# KiCad board main_board.kicad_pcb
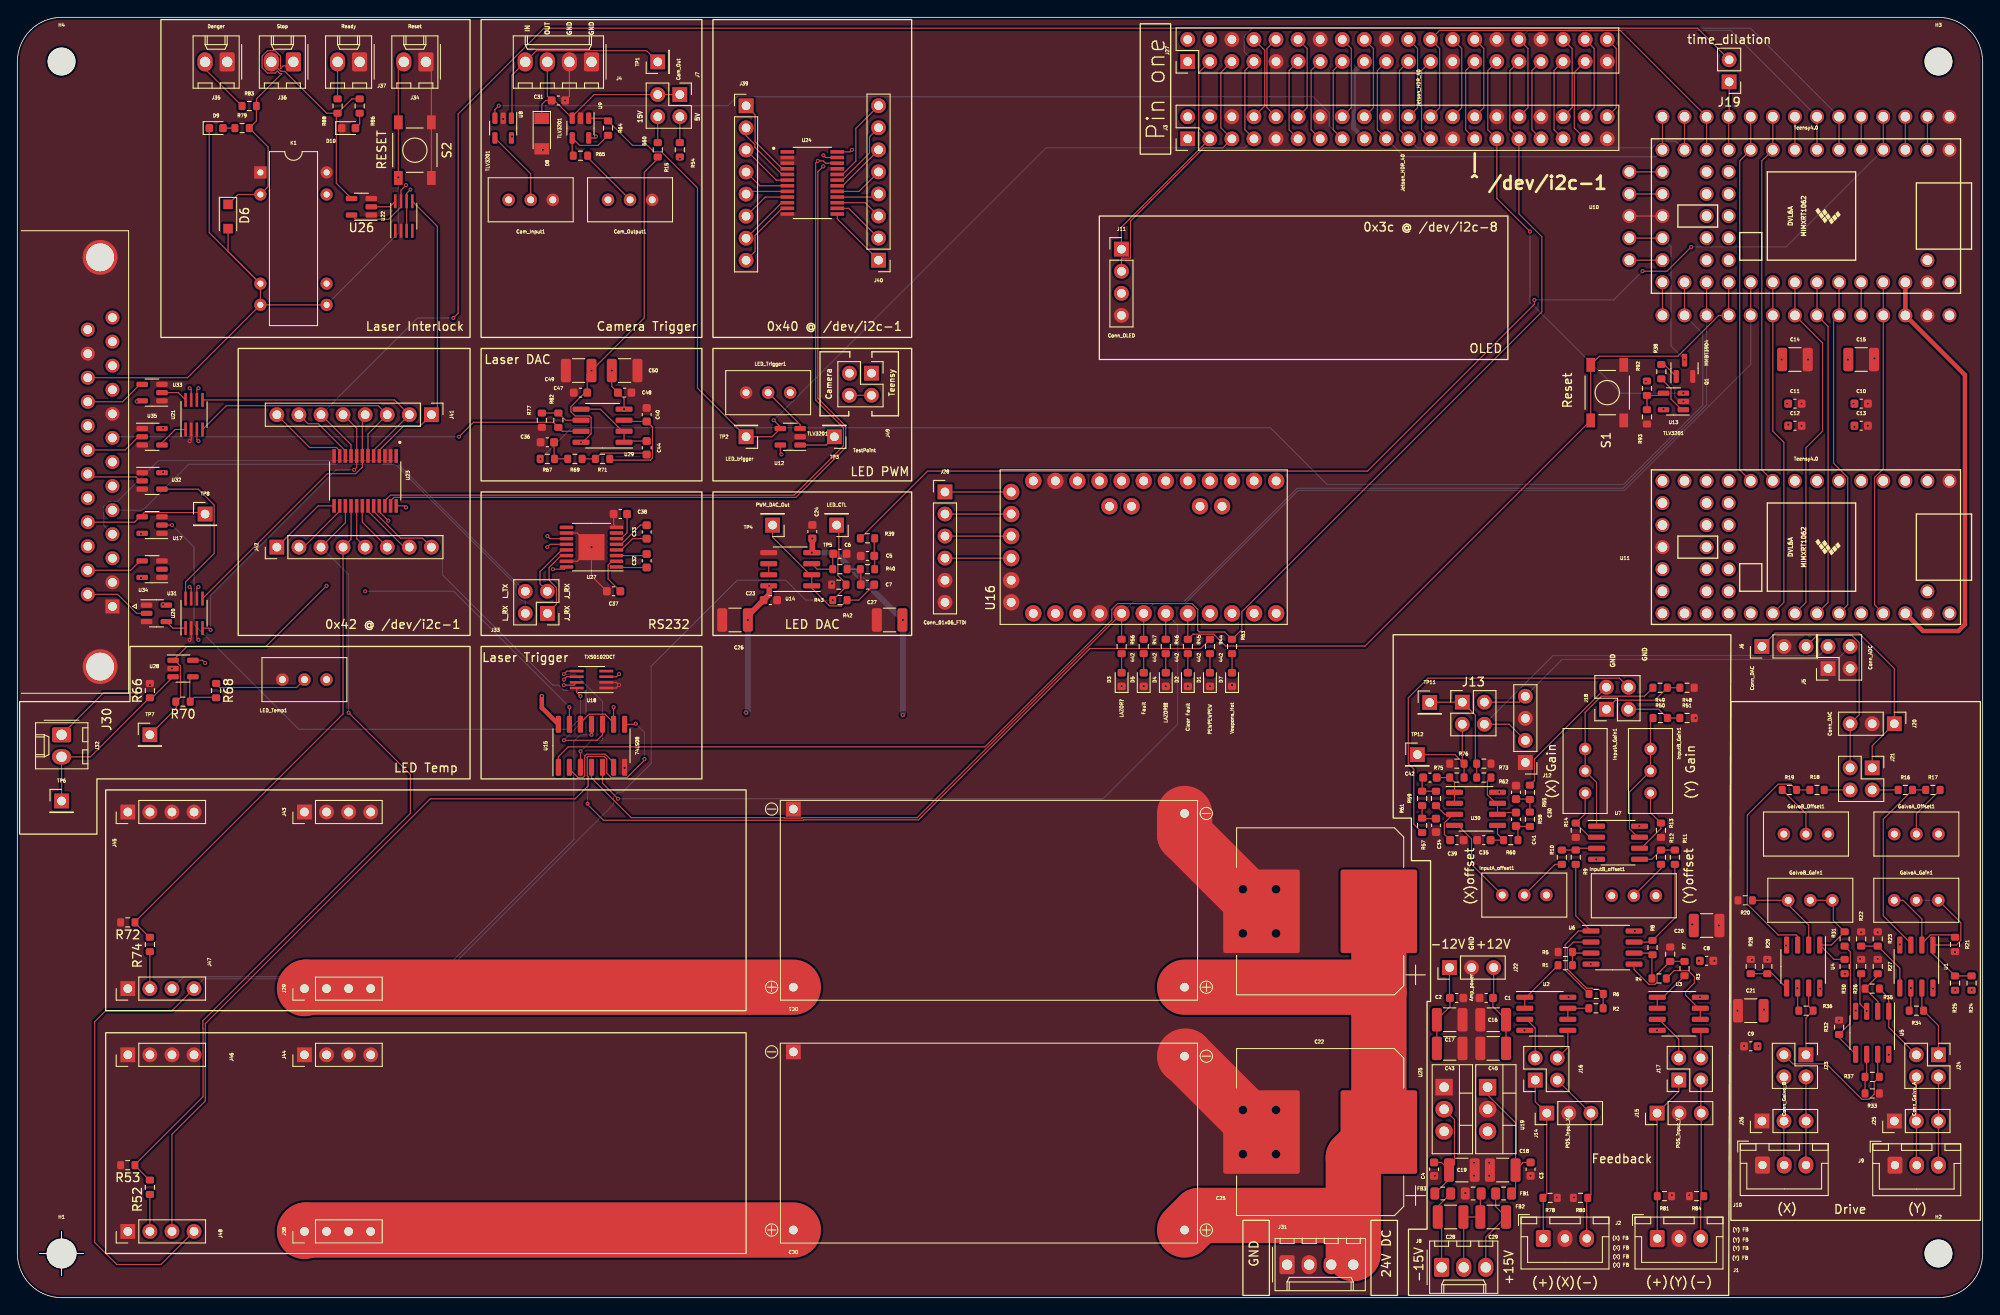
[diagram p0: board, top side]
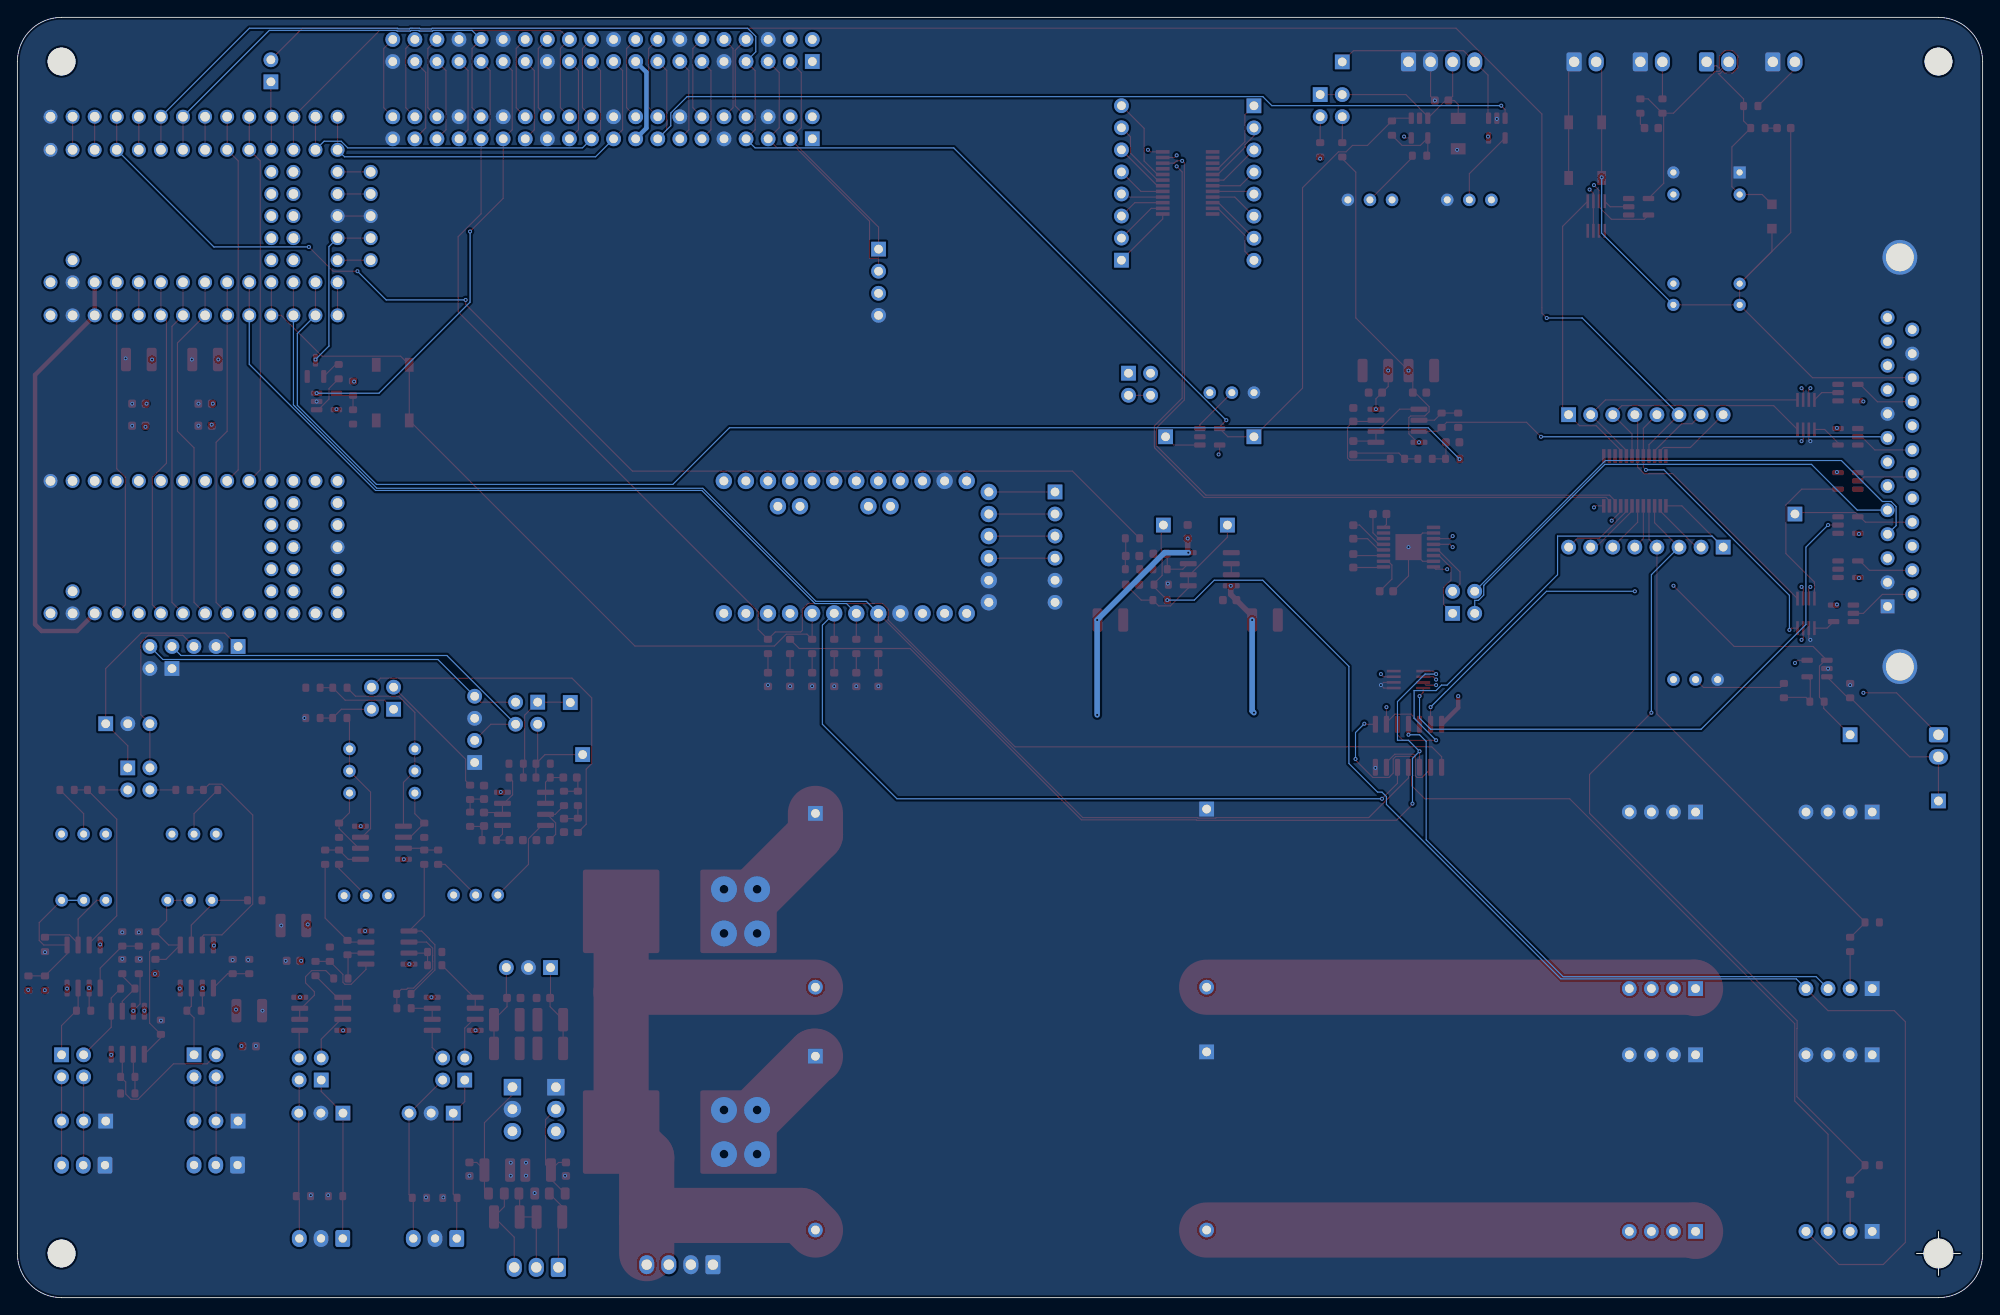
[diagram p1: board, bottom side, seen from below]

Outline 226.06 x 147.32 mm; copper layers: Top, In1.Cu, In2.Cu, Bottom. Coordinates in mm from the lower left corner of the outline.
Outline path: 0,142.24 0,5.08 arc(1.49,1.49) 5.08,0 220.98,0 arc(224.57,1.49) 226.06,5.08 226.06,142.24 arc(224.57,145.83) 220.98,147.32 5.08,147.32 arc(1.49,145.83) 0,142.24
Stack: Top 0.035mm / dielectric 0.48mm FR4 er 4.5 / In1.Cu 0.035mm / dielectric 0.48mm FR4 er 4.5 / In2.Cu 0.035mm / dielectric 0.48mm FR4 er 4.5 / Bottom 0.035mm

## Placement (name value [footprint] x y rotation side)
C1  .01u  [C_0603_1608Metric]  168.96 34.48 180 top
C2  .01u  [C_0603_1608Metric]  165.56 34.48 180 top
C3  .01u  [C_0603_1608Metric]  174.06 14.78 270 top
C4  .01u  [C_0603_1608Metric]  162.96 14.78 90 top
C5  .0047u  [C_0603_1608Metric]  97.79 85.34 0 top
C6  330p  [C_0603_1608Metric]  94.62 85.6 0 top
C7  .0022u  [C_0603_1608Metric]  97.79 82.04 180 top
C8  .01u  [C_0603_1608Metric]  194.31 38.76 0 top
C9  .01u  [C_0603_1608Metric]  199.39 28.92 0 top
C10  1u  [C_0603_1608Metric]  212.09 102.87 0 top
C11  1u  [C_0603_1608Metric]  204.47 102.87 0 top
C12  .01u  [C_0603_1608Metric]  204.47 100.33 0 top
C13  .01u  [C_0603_1608Metric]  212.09 100.33 0 top
C14  100uF  [C_1210_3225Metric]  204.47 107.95 0 top
C15  100uF  [C_1210_3225Metric]  212.09 107.95 0 top
C16  100uF  [C_1210_3225Metric]  169.76 31.98 180 top
C17  100uF  [C_1210_3225Metric]  164.76 31.98 180 top
C18  100uF  [C_1210_3225Metric]  170.86 14.68 180 top
C19  100uF  [C_1210_3225Metric]  166.16 14.68 180 top
C20  100uF  [C_1210_3225Metric]  194.31 42.82 0 top
C21  100uF  [C_1210_3225Metric]  199.39 33.02 0 top
C22  3300uF  [CP_Elec_18x22]  149.86 44.45 180 top
C23  .01u  [C_0603_1608Metric]  86.61 80.26 0 top
C24  .01u  [C_0603_1608Metric]  91.44 88.14 270 top
C25  3300uF  [CP_Elec_18x22]  149.86 19.05 180 top
C26  100uF  [C_1210_3225Metric]  82.55 77.98 180 top
C27  100uF  [C_1210_3225Metric]  100.33 77.98 0 top
C28  100uF  [C_1210_3225Metric]  164.86 9.28 180 top
C29  100uF  [C_1210_3225Metric]  169.76 9.28 180 top
C30  100pF  [C_0603_1608Metric]  172.38 58.15 270 top
C31  330p  [C_0603_1608Metric]  62.23 137.75 0 top
C32  0.1u  [C_0603_1608Metric]  72.39 84.79 90 top
C33  0.1u  [C_0603_1608Metric]  72.39 88.11 90 top
C34  100pF  [C_0603_1608Metric]  163.19 54.34 90 top
C35  10p  [C_0603_1608Metric]  168.69 52.65 180 top
C36  .0047u  [C_0603_1608Metric]  60.96 98.42 0 top
C37  0.1u  [C_0603_1608Metric]  68.58 81.28 180 top
C38  0.1u  [C_0603_1608Metric]  69.35 90.17 180 top
C39  10pF  [C_0603_1608Metric]  165.58 52.65 0 top
C40  330p  [C_0603_1608Metric]  72.39 101.6 90 top
C41  33pF  [C_0603_1608Metric]  172.38 55.04 270 top
C42  33pF  [C_0603_1608Metric]  162.49 59.84 180 top
C43  100uF  [C_1210_3225Metric]  164.76 28.68 180 top
C44  .0022u  [C_0603_1608Metric]  72.39 97.79 270 top
C45  100uF  [C_1210_3225Metric]  169.76 28.68 180 top
C47  .01u  [C_0603_1608Metric]  64.77 104.14 180 top
C48  .01u  [C_0603_1608Metric]  69.85 104.14 180 top
C49  100uF  [C_1210_3225Metric]  64.56 106.68 180 top
C50  100uF  [C_1210_3225Metric]  69.85 106.68 180 top
Cam_Input1  50k  [Potentiometer_Bourns_3296W_Vertical]  56.5 126.33 180 top
Cam_Output1  50k  [Potentiometer_Bourns_3296W_Vertical]  67.94 126.33 180 top
D1  PEWPEWPEW  [D_0603_1608Metric]  137.18 71.12 90 top
D2  Clear Fault  [D_0603_1608Metric]  134.64 71.12 90 top
D3  LAZOR?  [D_0603_1608Metric]  127.02 71.12 90 top
D4  LAZOR!!!  [D_0603_1608Metric]  132.1 71.12 90 top
D5  Fault  [D_0603_1608Metric]  129.56 71.12 90 top
D6  SM4007PL  [D_SOD-123F]  24.23 124.41 270 top
D7  Veapons_Hot  [D_0603_1608Metric]  139.72 71.12 90 top
D8  BZV55B3V3  [D_MiniMELF]  60.32 133.94 270 top
D9  Danger  [D_0603_1608Metric]  22.86 134.58 0 top
D10  Ready  [D_0603_1608Metric]  38.1 134.58 0 top
DC1  LM2596S_Module  [LM2596S Module]  111.76 45.72 180 top
DC2  LM2596S_Module  [LM2596S Module]  111.76 17.78 180 top
FB1  GZ2012D601TF  [R_0805_2012Metric]  170.96 11.98 180 top
FB2  GZ2012D601TF  [R_0805_2012Metric]  167.46 11.98 180 top
FB3  GZ2012D601TF  [R_0805_2012Metric]  163.96 11.98 0 top
GalvoA_Gain1  50k  [Potentiometer_Bourns_3296W_Vertical]  215.89 45.72 180 top
GalvoA_Offset1  50k  [Potentiometer_Bourns_3296W_Vertical]  215.9 53.34 180 top
GalvoB_Gain1  50k  [Potentiometer_Bourns_3296W_Vertical]  203.7 45.72 180 top
GalvoB_Offset1  50k  [Potentiometer_Bourns_3296W_Vertical]  203.2 53.34 180 top
H1  MountingHole  [MountingHole_3.2mm_M3]  5.08 5.08 0 top
H2  MountingHole  [MountingHole_3.2mm_M3]  220.98 5.08 0 top
H3  MountingHole  [MountingHole_3.2mm_M3]  220.98 142.24 0 top
H4  MountingHole  [MountingHole_3.2mm_M3]  5.08 142.24 0 top
InputA_Gain1  50k  [Potentiometer_Bourns_3296W_Vertical]  180.34 58.06 270 top
InputA_offset1  50k  [Potentiometer_Bourns_3296W_Vertical]  175.88 46.33 0 top
InputB_Gain1  50k  [Potentiometer_Bourns_3296W_Vertical]  187.86 58.06 270 top
InputB_offset1  50k  [Potentiometer_Bourns_3296W_Vertical]  188.48 46.25 0 top
J1  (Y) FB  [JST_XH_B3B-XH-A_1x03_P2.50mm_Vertical]  188.63 6.81 0 top
J2  (X) FB  [JST_XH_B3B-XH-A_1x03_P2.50mm_Vertical]  175.52 6.81 0 top
J3  Jetson_HDR_40  [PinHeader_2x20_P2.54mm_Vertical]  134.62 133.34 90 top
J4  Cam_Trigger  [Molex_KK-254_AE-6410-04A_1x04_P2.54mm_Vertical]  66.04 142.2 180 top
J5  Conn_ADC  [PinHeader_2x02_P2.54mm_Vertical]  208.28 72.39 90 top
J6  Conn_DAC  [PinHeader_1x03_P2.54mm_Vertical]  200.68 74.93 90 top
J7  Conn_02x02_Odd_Even  [PinHeader_2x02_P2.54mm_Vertical]  76.2 138.44 270 top
J8  Galvo_Power_input  [Molex_KK-254_AE-6410-03A_1x03_P2.54mm_Vertical]  163.83 3.48 0 top
J9  Drive (Y)  [JST_XH_B3B-XH-A_1x03_P2.50mm_Vertical]  215.98 15.24 0 top
J10  Drive (X)  [JST_XH_B3B-XH-A_1x03_P2.50mm_Vertical]  200.74 15.26 0 top
J11  Conn_OLED  [PinHeader_1x04_P2.54mm_Vertical]  127 120.65 0 top
J12  Conn_ADC  [PinHeader_1x04_P2.54mm_Vertical]  173.46 61.58 180 top
J13  Conn_02x02_Odd_Even  [PinHeader_2x02_P2.54mm_Vertical]  166.21 68.52 0 top
J14  POS_input_X  [PinHeader_1x03_P2.54mm_Vertical]  175.93 21.23 90 top
J15  POS_input_Y  [PinHeader_1x03_P2.54mm_Vertical]  188.61 21.23 90 top
J16  Conn_02x02_Odd_Even  [PinHeader_2x02_P2.54mm_Vertical]  174.6 25.03 90 top
J17  Conn_02x02_Odd_Even  [PinHeader_2x02_P2.54mm_Vertical]  191.11 25.04 90 top
J18  Conn_02x02_Odd_Even  [PinHeader_2x02_P2.54mm_Vertical]  182.79 67.71 90 top
J19  time_dilation  [PinHeader_1x02_P2.54mm_Vertical]  196.9 139.9 180 top
J20  Conn_DAC  [PinHeader_1x03_P2.54mm_Vertical]  215.9 66.04 270 top
J21  Conn_02x02_Odd_Even  [PinHeader_2x02_P2.54mm_Vertical]  213.36 60.96 270 top
J22  Amp_power  [PinHeader_1x03_P2.54mm_Vertical]  164.74 37.98 90 top
J23  Conn_02x02_Odd_Even  [PinHeader_2x02_P2.54mm_Vertical]  205.74 27.94 270 top
J24  Conn_02x02_Odd_Even  [PinHeader_2x02_P2.54mm_Vertical]  220.98 27.94 270 top
J25  Conn_Galvo_A  [PinHeader_1x03_P2.54mm_Vertical]  215.9 20.32 90 top
J26  Conn_Galvo_B  [PinHeader_1x03_P2.54mm_Vertical]  200.68 20.32 90 top
J27  Jetson_HDR_40  [PinHeader_2x20_P2.54mm_Vertical]  134.62 142.24 90 top
J28  Conn_01x06_FTDI  [PinHeader_1x06_P2.54mm_Vertical]  106.7 92.71 0 top
J29  Pow 80V max  [PinHeader_1x04_P2.54mm_Vertical]  33.02 35.56 90 top
J30  DB25_Female_MountingHoles  [DSUB-25_Female_Horizontal_P2.77x2.84mm_EdgePinOffset7.70mm_Housed_MountingHolesOffset9.12mm]  10.94 79.54 270 top
J31  Conn_01x04_LED_Supply  [Molex_KK-254_AE-6410-04A_1x04_P2.54mm_Vertical]  146.05 3.79 0 top
J32  Conn_LED_Temp  [Molex_KK-254_AE-6410-02A_1x02_P2.54mm_Vertical]  5.08 64.77 270 top
J33  RS232  [PinHeader_2x02_P2.54mm_Vertical]  60.97 78.74 180 top
J34  Reset  [Molex_KK-254_AE-6410-02A_1x02_P2.54mm_Vertical]  46.99 142.2 180 top
J35  Danger  [Molex_KK-254_AE-6410-02A_1x02_P2.54mm_Vertical]  24.13 142.2 180 top
J36  Stop  [Molex_KK-254_AE-6410-02A_1x02_P2.54mm_Vertical]  31.75 142.2 180 top
J37  Ready  [Molex_KK-254_AE-6410-02A_1x02_P2.54mm_Vertical]  39.37 142.2 180 top
J38  Pow 80V max  [PinHeader_1x04_P2.54mm_Vertical]  33.02 7.62 90 top
J39  Conn_01x08_Male  [PinHeader_1x08_P2.54mm_Vertical]  83.82 137.14 0 top
J40  Conn_01x08_Male  [PinHeader_1x08_P2.54mm_Vertical]  99.06 119.38 180 top
J41  Conn_01x08_Male  [PinHeader_1x08_P2.54mm_Vertical]  47.62 101.6 270 top
J42  Conn_01x08_Male  [PinHeader_1x08_P2.54mm_Vertical]  29.84 86.36 90 top
J43  Pow GND  [PinHeader_1x04_P2.54mm_Vertical]  33.02 55.88 90 top
J44  Pow GND  [PinHeader_1x04_P2.54mm_Vertical]  33.02 27.94 90 top
J45  GND  [PinHeader_1x04_P2.54mm_Vertical]  12.7 55.88 90 top
J46  GND  [PinHeader_1x04_P2.54mm_Vertical]  12.7 27.94 90 top
J47  Control  [PinHeader_1x04_P2.54mm_Vertical]  12.7 35.56 90 top
J48  Control  [PinHeader_1x04_P2.54mm_Vertical]  12.7 7.62 90 top
J49  Conn_02x02_Odd_Even  [PinHeader_2x02_P2.54mm_Vertical]  98.25 106.38 270 top
K1  DIPxx-1Axx-11x  [Relay_StandexMeder_DIP_LowProfile]  27.95 129.48 0 top
LED_Temp1  50k  [Potentiometer_Bourns_3296W_Vertical]  35.56 71.12 0 top
LED_Trigger1  50k  [Potentiometer_Bourns_3296W_Vertical]  88.9 104.14 0 top
Q1  MMBT3904  [SOT-23]  191.77 106.93 90 top
R1  10k  [R_0603_1608Metric]  178.05 38.25 0 top
R2  10k  [R_0603_1608Metric]  181.59 33.29 0 top
R3  10k  [R_0603_1608Metric]  191.77 37.87 90 top
R4  10k  [R_0603_1608Metric]  188.85 36.72 180 top
R5  10k  [R_0603_1608Metric]  178.05 39.77 180 top
R6  10k  [R_0603_1608Metric]  181.61 34.95 180 top
R7  10k  [R_0603_1608Metric]  190.12 39.52 90 top
R8  10k  [R_0603_1608Metric]  188.09 40.28 90 top
R9  12k  [R_0603_1608Metric]  179.26 50.68 90 top
R10  12k  [R_0603_1608Metric]  177.66 50.68 270 top
R11  12k  [R_0603_1608Metric]  190.66 50.68 90 top
R12  12k  [R_0603_1608Metric]  189.06 50.68 90 top
R13  1k  [R_0603_1608Metric]  189.06 53.78 270 top
R14  1k  [R_0603_1608Metric]  179.26 53.78 270 top
R15  560  [R_0603_1608Metric]  73.66 132.08 90 top
R16  12k  [R_0603_1608Metric]  217.17 58.42 0 top
R17  12k  [R_0603_1608Metric]  220.35 58.42 0 top
R18  12k  [R_0603_1608Metric]  207.01 58.42 180 top
R19  12k  [R_0603_1608Metric]  203.83 58.42 0 top
R20  1k  [R_0603_1608Metric]  198.75 45.72 180 top
R21  1k  [R_0603_1608Metric]  222.88 40.64 270 top
R22  10k  [R_0603_1608Metric]  212.09 41.28 270 top
R23  10k  [R_0603_1608Metric]  214 41.28 270 top
R24  10k  [R_0603_1608Metric]  224.79 36.19 270 top
R25  10k  [R_0603_1608Metric]  222.88 36.19 270 top
R26  10k  [R_0603_1608Metric]  212.09 38.1 270 top
R27  10k  [R_0603_1608Metric]  214 38.1 270 top
R28  10k  [R_0603_1608Metric]  199.39 38.1 270 top
R29  10k  [R_0603_1608Metric]  201.3 38.1 270 top
R30  10k  [R_0603_1608Metric]  210.19 38.1 270 top
R31  10k  [R_0603_1608Metric]  210.19 41.28 270 top
R32  10k  [R_0603_1608Metric]  209.55 31.12 270 top
R33  10k  [R_0603_1608Metric]  213.36 23.5 180 top
R34  10k  [R_0603_1608Metric]  218.44 33.02 0 top
R35  10k  [R_0603_1608Metric]  213.36 35.56 0 top
R36  10k  [R_0603_1608Metric]  205.74 33.02 0 top
R37  10k  [R_0603_1608Metric]  213.36 25.4 0 top
R38  4.7k  [R_0603_1608Metric]  189.1 106.55 90 top
R39  12k  [R_0603_1608Metric]  97.79 87.38 0 top
R40  110k  [R_0603_1608Metric]  97.79 83.82 180 top
R41  36k  [R_0603_1608Metric]  94.62 83.82 180 top
R42  1.87k  [R_0603_1608Metric]  94.62 80.26 180 top
R43  1.07k  [R_0603_1608Metric]  94.49 82.04 180 top
R44  442  [R_0603_1608Metric]  137.18 74.93 90 top
R45  442  [R_0603_1608Metric]  134.64 74.93 90 top
R46  442  [R_0603_1608Metric]  132.1 74.93 90 top
R47  442  [R_0603_1608Metric]  129.56 74.93 90 top
R48  4.7k  [R_0603_1608Metric]  192.06 70.18 180 top
R49  4.7k  [R_0603_1608Metric]  188.96 70.18 180 top
R50  4.7k  [R_0603_1608Metric]  188.98 66.7 0 top
R51  4.7k  [R_0603_1608Metric]  192.06 66.7 0 top
R52  270k  [R_0603_1608Metric]  15.24 12.7 90 top
R53  330k  [R_0603_1608Metric]  12.7 15.24 180 top
R54  100  [R_0603_1608Metric]  76.2 132.08 90 top
R55  11k  [R_0603_1608Metric]  173.99 58.15 270 top
R56  442  [R_0603_1608Metric]  127.02 74.93 90 top
R57  11k  [R_0603_1608Metric]  161.59 54.34 90 top
R58  110k  [R_0603_1608Metric]  173.99 55.04 270 top
R59  110k  [R_0603_1608Metric]  161.59 57.44 90 top
R60  30k  [R_0603_1608Metric]  171.79 52.65 180 top
R61  30k  [R_0603_1608Metric]  163.19 57.44 270 top
R62  4.7k  [R_0603_1608Metric]  168.69 59.84 180 top
R63  442  [R_0603_1608Metric]  139.72 74.93 90 top
R64  3.3M  [R_0603_1608Metric]  67.94 134.58 270 top
R65  470k  [R_0603_1608Metric]  64.77 131.41 0 top
R66  --  [R_0603_1608Metric]  15.24 69.85 90 top
R67  12k  [R_0603_1608Metric]  60.96 96.52 0 top
R68  --  [R_0603_1608Metric]  22.86 69.85 270 top
R69  110k  [R_0603_1608Metric]  64.13 96.52 0 top
R70  --  [R_0603_1608Metric]  19.05 68.58 180 top
R71  36k  [R_0603_1608Metric]  67.31 96.52 0 top
R72  330k  [R_0603_1608Metric]  12.7 43.18 180 top
R73  4.7k  [R_0603_1608Metric]  168.69 61.44 0 top
R74  270k  [R_0603_1608Metric]  15.24 40.64 90 top
R75  4.7k  [R_0603_1608Metric]  165.58 59.84 0 top
R76  4.7k  [R_0603_1608Metric]  165.58 61.44 180 top
R77  47k  [R_0603_1608Metric]  60.32 100.97 90 top
R78  110k  [R_0603_1608Metric]  176.31 11.48 180 top
R79  1k  [R_0603_1608Metric]  25.84 134.58 0 top
R80  110k  [R_0603_1608Metric]  179.81 11.48 180 top
R81  110k  [R_0603_1608Metric]  189.46 11.68 180 top
R82  91k  [R_0603_1608Metric]  62.23 100.97 270 top
R83  1k  [R_0603_1608Metric]  26.67 137.12 0 top
R84  110k  [R_0603_1608Metric]  193.16 11.68 180 top
R86  1k  [R_0603_1608Metric]  39.37 137.12 90 top
R88  1k  [R_0603_1608Metric]  36.83 137.12 270 top
R92  4.7k  [R_0603_1608Metric]  187.45 104.65 90 top
R93  4.7k  [R_0603_1608Metric]  187.45 101.35 90 top
S1  Reset  [SW_PTS525SM15SMTR2LFS]  182.88 104.14 270 top
S2  Reset  [SW_PTS525SM15SMTR2LFS]  45.72 132.04 270 top
TP1  Cam_Out  [PinHeader_1x01_P2.54mm_Vertical]  73.66 142.2 90 top
TP2  LED_trigger  [PinHeader_1x01_P2.54mm_Vertical]  83.82 99.06 180 top
TP3  TestPoint  [PinHeader_1x01_P2.54mm_Vertical]  93.98 99.06 180 top
TP4  PWM_DAC_Out  [PinHeader_1x01_P2.54mm_Vertical]  86.87 88.9 180 top
TP5  LED_CTL  [PinHeader_1x01_P2.54mm_Vertical]  94.23 88.9 180 top
TP6  LED_Temp  [PinHeader_1x01_P2.54mm_Vertical]  5.08 57.15 0 top
TP7  TestPoint  [PinHeader_1x01_P2.54mm_Vertical]  15.24 64.77 0 top
TP8  Laser Trigger  [PinHeader_1x01_P2.54mm_Vertical]  21.59 90.17 0 top
TP11  ADC_X  [PinHeader_1x01_P2.54mm_Vertical]  162.46 68.48 0 top
TP12  ADC_Y  [PinHeader_1x01_P2.54mm_Vertical]  161.04 62.48 0 top
U1  LM358DT  [SOIC-8_3.9x4.9mm_P1.27mm]  218.44 38.1 270 top
U2  LM358DT  [SOIC-8_3.9x4.9mm_P1.27mm]  175.87 32.66 0 top
U3  LM358DT  [SOIC-8_3.9x4.9mm_P1.27mm]  191.11 32.66 0 top
U4  LM358DT  [SOIC-8_3.9x4.9mm_P1.27mm]  205.42 38.1 270 top
U5  LM358DT  [SOIC-8_3.9x4.9mm_P1.27mm]  213.36 30.48 270 top
U6  LM358DT  [SOIC-8_3.9x4.9mm_P1.27mm]  183.49 40.28 0 top
U7  LM358DT  [SOIC-8_3.9x4.9mm_P1.27mm]  184.13 52.34 0 top
U8  TLV3201  [SOT-23-5]  55.88 134.58 270 top
U9  TLV3201  [SOT-23-5]  64.77 134.58 270 top
U10  Teensy4.0  [Teensy40#2]  205.74 124.46 180 top
U11  Teensy4.0  [Teensy40]  205.74 86.36 180 top
U12  TLV3201  [SOT-23-5]  88.9 99.06 180 top
U13  TLV3201  [SOT-23-5]  190.5 103.12 180 top
U14  LM358DT  [SOIC-8_3.9x4.9mm_P1.27mm]  88.9 83.82 180 top
U15  74LS08  [SOIC-14_3.9x8.7mm_P1.27mm]  66.04 63.5 90 top
U16  ARDUINO_PRO_MINI  [MODULE_ARDUINO_PRO_MINI]  129.56 86.36 90 top
U17  74LVC1G34  [SOT-23-5]  15.49 88.9 180 top
U18  TXS0102DCT  [SSOP-8_2.95x2.8mm_P0.65mm]  66.04 71.12 180 top
U19  LM7812_TO220  [TO-220-3_Vertical]  169.12 24.22 270 top
U20  TXS0102DCT  [SSOP-8_2.95x2.8mm_P0.65mm]  20.32 78.74 90 top
U21  TXS0102DCT  [SSOP-8_2.95x2.8mm_P0.65mm]  20.32 101.6 90 top
U22  TXS0102DCT  [SSOP-8_2.95x2.8mm_P0.65mm]  44.45 124.46 90 top
U23  TCA9555  [SOP65P640X120-24N]  40 93.98 270 top
U24  TCA9555  [SOP65P640X120-24N]  91.44 128.27 0 top
U25  LM7912_TO220  [TO-220-3_Vertical]  164.12 24.22 270 top
U26  74LVC1G34  [SOT-23-5]  39.57 125.53 180 top
U27  SP3232E  [HTSSOP-16-1EP_4.4x5mm_P0.65mm_EP3x3mm]  66.04 86.36 180 top
U28  TLV3201  [SOT-23-5]  19.05 72.39 0 top
U29  LM358DT  [SOIC-8_3.9x4.9mm_P1.27mm]  67.31 100.33 180 top
U30  LM358  [SOIC-8_3.9x4.9mm_P1.27mm]  167.79 56.25 0 top
U31  74LVC1G34  [SOT-23-5]  16 78.74 0 top
U32  74LVC1G34  [SOT-23-5]  15.49 93.98 0 top
U33  74LVC1G34  [SOT-23-5]  15.49 104.14 180 top
U34  74LVC1G34  [SOT-23-5]  15.49 83.82 180 top
U35  74LVC1G34  [SOT-23-5]  15.49 99.06 0 top

## Library data of the parts
C1-C4 C8 C9 C12 C13 C23 C24 C47 C48 = -: LCSC: C57112; LCSL: x
C5 C36 = -: LCSC: C159797; LCSL: x
C6 C31 C40 = -: LCSC: C1664; LCSL: x
C7 C44 = -: LCSC: C33353; LCSL: x
C10 C11 = -: LCSC: C15849; LCSL: x
C14-C21 C26-C29 C43 C45 C49 C50 = -: LCSC: C90143; LCSL: x
C22 C25 = -: LCSC: C249527; LCSL: x
C30 C32-C34 C37 C38 = -: LCSC: C14858; LCSL: x
C35 C39 = -: LCSC: C1634; LCSL: x
C41 C42 = -: LCSC: C1663; LCSL: x
Cam_Input1 Cam_Output1 GalvoA_Gain1 GalvoA_Offset1 GalvoB_Gain1 GalvoB_Offset1 InputA_Gain1 InputA_offset1 InputB_Gain1 InputB_offset1 LED_Temp1 LED_Trigger1 = -: LCSC: C118911; LCSL: x
D1-D5 D7 D9 D10 DC1 DC2 = -: LCSC: C2286; LCSL: x
D6 = -: LCSC: C64898; LCSL: x
D8 = -: LCSC: C545375; LCSL: x
FB1-FB3 = -: LCSC: C1017; LCSL: x
J1 J2 = -: LCSC: C144394; LCSL: x
J3 J27 = -: LCSC: C124383; LCSL: x
J4 = -: LCSC: C504991; LCSL: x
J5 J7 J13 J16-J18 J21 J23 J24 J33 J49 = -: LCSC: C66690
J6 J14 J15 J20 J22 J25 J26 = -: LCSC: C124376
J8 = -: LCSC: C29275
J9 J10 = -: LCSC: C144394
J11 J12 J31 = -: LCSC: C124378
J19 = -: LCSC: C234182
J28 = -: LCSC: C37208
J29 J38 J43-J48 = -: LCSC: C160334
J30 = -: LCSC: C190083
J32 J34-J37 = -: LCSC: C27543
J39-J42 = -: LCSC: C124381
K1 = -: LCSC: C150533; LCSL: x
Q1 = -: LCSC: C20526; LCSL: x
R1-R8 R22-R37 = -: LCSC: C25804; LCSL: x
R9-R12 R16-R19 R39 R67 = -: LCSC: C22790; LCSL: x
R13 R14 R20 R21 R79 R83 R86 R88 = -: LCSC: C21190; LCSL: x
R15 R38 R48-R51 R62 R73 R75 R76 R92 R93 = -: LCSC: C23162; LCSL: x
R40 R58 R59 R69 R78 R80 R81 R84 = -: LCSC: C25805; LCSL: x
R41 R71 = -: LCSC: C23147; LCSL: x
R42 = -: LCSC: C25957; LCSL: x
R43 = -: LCSC: C22947; LCSL: x
R44-R47 R56 R63 = -: LCSC: C23057; LCSL: x
R52 R74 = -: LCSC: C22965; LCSL: x
R53 R72 = -: LCSC: C23137; LCSL: x
R54 = -: LCSC: C22775; LCSL: x
R55 R57 = -: LCSC: C25950; LCSL: x
R60 R61 = -: LCSC: C22984; LCSL: x
R64 = -: LCSC: C26096; LCSL: x
R65 = -: LCSC: C23178; LCSL: x
R77 = -: LCSC: C25819; LCSL: x
R82 = -: LCSC: C23265; LCSL: x
S1 S2 = -: LCSC: C318884; LCSL: x; MANUFACTURER: C & K; PARTREV: NA; STANDARD: Manufacturer REcommendation
TP1-TP8 TP11 TP12 = -: LCSC: C81276
U1-U7 U14 U29 = -: LCSC: C9418; LCSL: x
U8 U9 U12 U13 U28 = -: LCSC: C105188; LCSL: x
U15 = -: LCSC: C5593; LCSL: x
U16 = -: MANUFACTURER: SparkFun Electronics; MAXIMUM_PACKAGE_HEIGHT: N/A; PARTREV: N/A; STANDARD: Manufacturer Recommendations
U17 U26 U31-U35 = -: LCSC: C526347; LCSL: x
U18 U20-U22 = -: LCSC: C324082; LCSL: x
U19 = -: LCSC: C427633; LCSL: x
U23 U24 = -: LCSC: C465732; LCSL: x
U25 = -: LCSC: C428906; LCSL: x
U27 = -: Field4: NA-XXXXX; LCSC: C13482; LCSL: x
U30 = -: Field4: IC-09172; LCSC: C9418; LCSL: x
